# Allegro board PSU-C1.brd
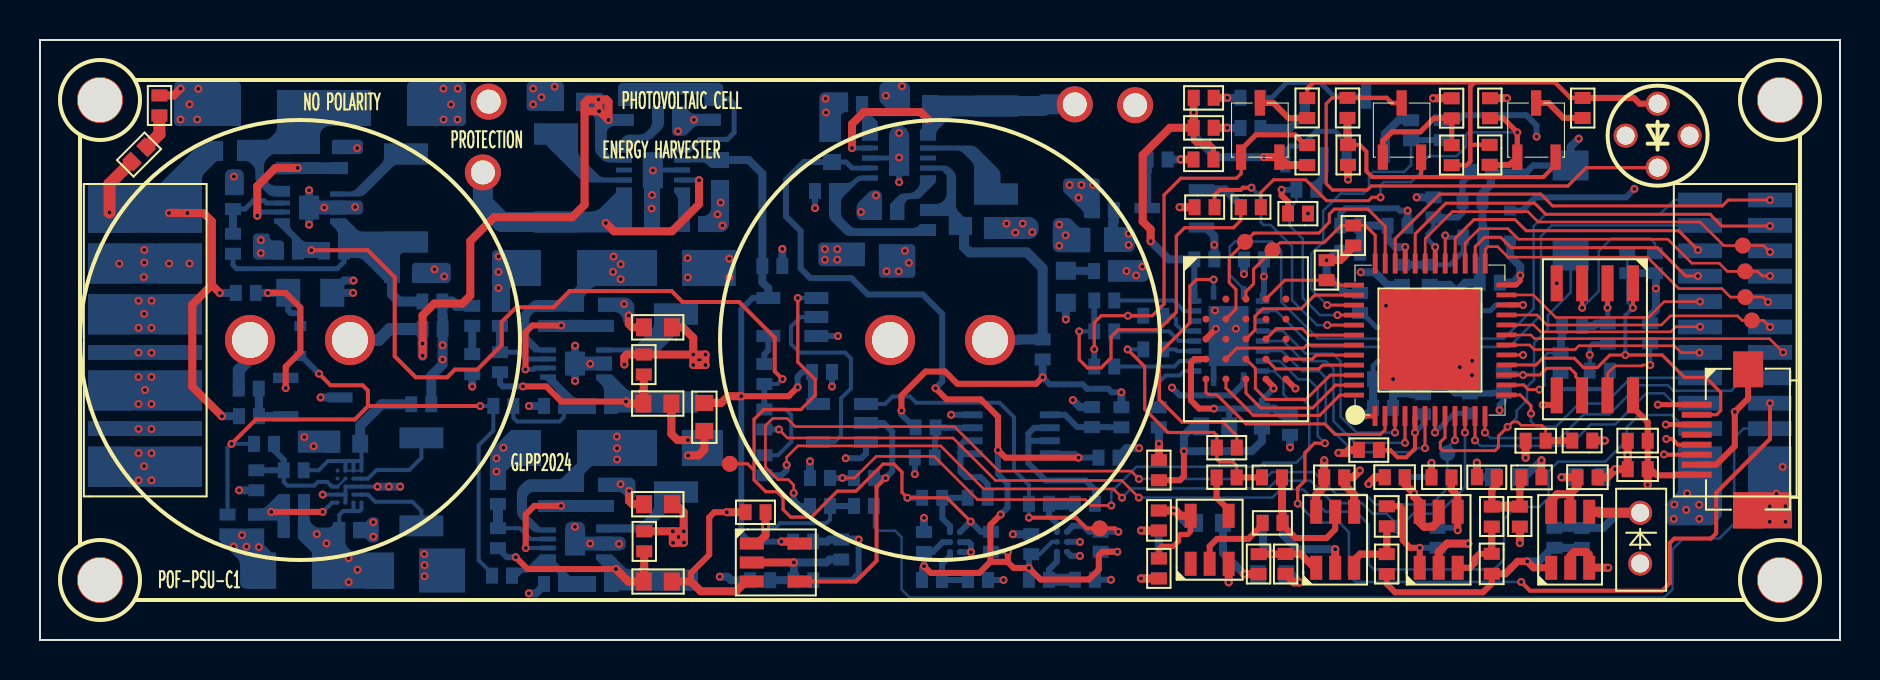
[diagram p0: board, top side]
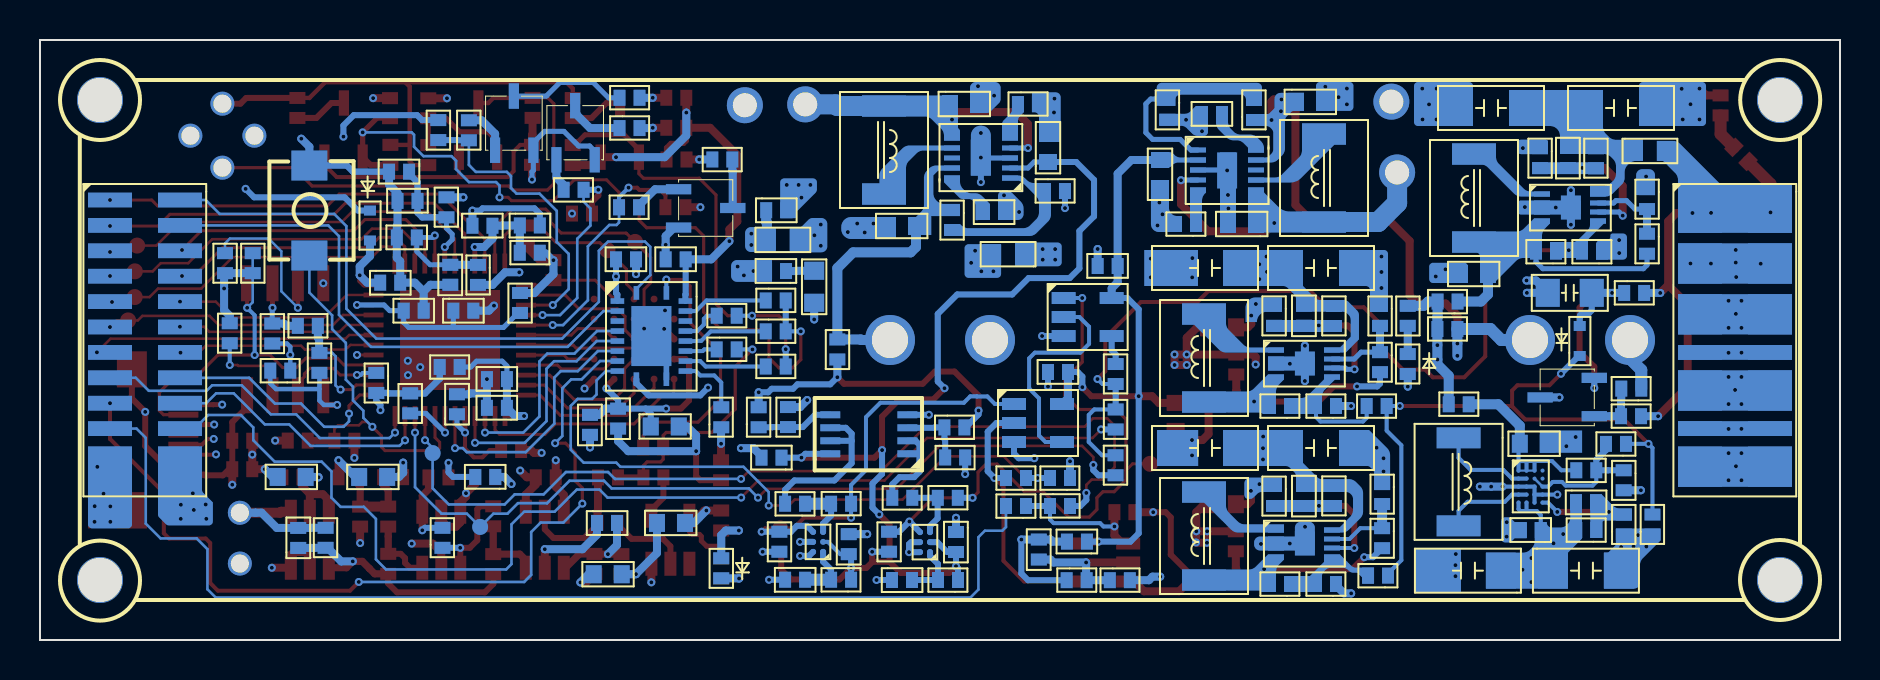
[diagram p1: board, bottom side, seen from below]

Outline 90 x 30 mm; copper layers: TOP, GND, VCC, BOTTOM. Coordinates in mm from the lower left corner of the outline.
Outline path: 0,30 90,30 90,0 0,0 0,30

## Design rules (mm)
constraint set DEFAULT: min track width 0.127
net group N478267: nets N478267 N478271
net group N485107: nets N485107 N485115
net group N1004009: nets N1004009 N1004026
net group N1120293: nets N1120293 N1120473
net group P1012: nets N796763 P1012
net group SIG_ALIVE: nets N1039072 SIG_ALIVE
net group VCAP: nets N821854 N822032
net group VCAP1: nets N478345 VCAP1
net group VCAP2: nets N485373 VCAP2
net group 1ST_EN: nets 1ST_EN IO_P5V0_SHDN IO_P5V0_SHDN_EXT N813698 N813706 N813884 N813992
net group 2ND_EN: nets 2ND_EN N781893 N781901 N782069 N782145 N816273 N816281 N816459 N816583 N1004475 N1017996
net group CHG_FULL: nets CHG_FULL LDO22-2 N821870 N822044 N823149 N823315 N824564 N824724 UV_SHDN
net group FIBER_TX: nets FIBER_TX N1120153 N1120157 N1120309 N1120313 N1120345
net group IAM_ALIVE_EXT: nets IAM_ALIVE IAM_ALIVE_EXT N1161020
net group MG1: nets RAM_ADQ7
net group P1818: nets N782153 N1128601 P1818
net group P3333_PRE: nets N816591
net group P5050: nets N813852 N814000 N1140972

## Placement (name value [footprint] x y rotation side)
C1  2F/5.5V  [SUC_THR_5D0_21D5]  13 15 180 top
C2  2F/5.5V  [SUC_THR_5D0_21D5]  45 15 180 top
C3  10uF  [C0603_SMT]  30.17 11.82 0 top
C4  0.1uF  [C0402_SMT]  74.28 9.96 0 top
C5  0.1uF  [C0402_SMT]  80.39 9.96 180 top
C6  10nF  [C0402_SMT]  80.39 8.54 180 top
C7  0.1uF  [C0402_SMT]  64.21 8.14 0 top
C8  0.1uF  [C0402_SMT]  68.23 8.14 180 top
C9  0.1uF  [C0402_SMT]  74.07 8.14 0 top
C10  0.1uF  [C0402_SMT]  77.88 8.14 180 top
C11  0.1uF  [C0402_SMT]  67.34 6.68 270 top
C12  0.1uF  [C0402_SMT]  55.94 5.48 90 top
C13  0.1uF  [C0402_SMT]  72.59 4.31 270 top
C14  10uF  [C0603_SMT]  30.19 2.93 0 top
C15  10uF  [C0603_SMT]  27.2 26.91 180 bottom
C16  10uF  [C0603_SMT]  44.5 26.8 180 bottom
C17  22uF  [C1206]  15.8 26.6 0 bottom
C18  22uF  [C1206]  12.6 26.6 180 bottom
C19  1uF  [C0402_SMT]  30.9 26.3 0 bottom
C20  10uF  [C0603_SMT]  39.6 23.9 90 bottom
C21  33pF  [C0402_SMT]  13.6 24.6 270 bottom
C22  0.1uF  [C0402_SMT]  71.55 23.41 0 bottom
C23  10uF  [C0603_SMT]  34 24 270 bottom
C24  10nF  [C0402_SMT]  71.12 21.95 0 bottom
C25  1uF  [C0402_SMT]  42.8 21.4 180 bottom
C26  10uF  [C0603_SMT]  29.2 20.8 0 bottom
C27  0.1uF  [C0402_SMT]  66.01 20.73 180 bottom
C28  10nF  [C0402_SMT]  67.38 20.71 0 bottom
C29  10uF  [C0603_SMT]  46.2 20.7 0 bottom
C30  0.1uF  [C0402_SMT]  71.16 20.13 0 bottom
C31  0.1uF  [C0402_SMT]  60.2 19.03 0 bottom
C32  0.1uF  [C0402_SMT]  57.72 19.03 0 bottom
C33  0.1uF  [C0402_SMT]  36.12 18.7 0 bottom
C34  47uF  [C1206]  30.1 18.6 0 bottom
C35  47uF  [C1206]  27.6 18.6 180 bottom
C36  10uF  [C0603_SMT]  17.6 18.3 0 bottom
C37  10nF  [C0402_SMT]  69.48 18.76 270 bottom
C38  0.1uF  [C0402_SMT]  72.99 17.87 180 bottom
C39  6.8uF  [C0805_SMT]  14.61 17.36 180 bottom
C40  10nF  [C0402_SMT]  71.82 16.47 180 bottom
C41  0.1uF  [C0402_SMT]  69.33 16.47 180 bottom
C42  33pF  [C0402_SMT]  26.8 16.71 270 bottom
C43  0.1uF  [C0402_SMT]  38.6 13.4 0 bottom
C44  0.1uF  [C0402_SMT]  66.65 13.05 0 bottom
C45  0.1uF  [C0402_SMT]  69.15 11.29 90 bottom
C46  10nF  [C0402_SMT]  66.65 11.61 0 bottom
C47  0.1uF  [C0402_SMT]  61.09 11.57 270 bottom
C48  10uF  [C0603_SMT]  59.46 10.68 180 bottom
C49  10uF  [C0603_SMT]  16.01 9.81 180 bottom
C50  47uF  [C1206]  30.1 9.6 0 bottom
C51  47uF  [C1206]  27.6 9.6 180 bottom
C52  0.1uF  [C0402_SMT]  52.92 9.12 0 bottom
C53  0.1uF  [C0402_SMT]  67.23 8.15 0 bottom
C54  33pF  [C0402_SMT]  26.8 7.7 270 bottom
C55  33pF  [C0402_SMT]  13.2 6.89 180 bottom
C56  0.1uF  [C0402_SMT]  62.15 5.85 180 bottom
C57  0.1uF  [C0402_SMT]  14.96 5.49 0 bottom
C58  1.5pF  [C0402_SMT]  77.09 4.6 90 bottom
C59  0.1uF  [C0402_SMT]  37.65 4.92 0 bottom
C60  0.1uF  [C0402_SMT]  44.2 5.4 270 bottom
C61  0.1uF  [C0402_SMT]  49.56 5.29 270 bottom
C62  0.1uF  [C0402_SMT]  40.06 5.02 270 bottom
C63  47uF  [C1206]  16.95 3.47 0 bottom
C64  47uF  [C1206]  14.35 3.47 180 bottom
C65  2.2uF  [C0402_SMT]  52.75 3.01 180 bottom
C66  2.2uF  [C0402_SMT]  47.4 3 180 bottom
C67  10uF  [C0603_SMT]  72.64 8.15 0 bottom
C68  10uF  [C0603_SMT]  57.75 5.85 0 bottom
C69  10uF  [C0603_SMT]  62.31 3.29 180 bottom
C70  10uF  [C0603_SMT]  76.72 8.15 0 bottom
C71  10uF  [C0603_SMT]  33.22 11.85 270 top
C72  10uF  [C0603_SMT]  31.6 15.63 180 top
C73  10uF  [C0603_SMT]  31.61 6.79 180 top
D1  GREEN LED  [LED0402_SMT]  58.68 27.11 180 top
D2  GREEN LED  [LED0402_SMT]  5.97 27.23 270 top
D3  GREEN LED  [LED0402_SMT]  58.68 25.61 180 top
D4  GREEN LED  [LED0402_SMT]  57.67 24.02 0 top
D5  GREEN LED  [LED0402_SMT]  55.95 7.99 90 top
D6  1N4148WT-7  [SOD-523]  73.5 19.97 90 bottom
D7  1N4148WT-7  [SOD-523]  13.01 14.2 90 bottom
D8  GREEN LED  [LED0402_SMT]  21.61 13.3 90 bottom
D9  GREEN LED  [LED0402_SMT]  55.94 4.09 270 bottom
FB1  BLM18PG121SN1D  [L0402_SMT]  66.94 9.5 180 top
FB2  BLM18PG121SN1D  [L0402_SMT]  69.68 21.13 90 bottom
FB3  BLM18PG121SN1D  [L0402_SMT]  66.01 19.36 180 bottom
FB4  BLM18PG121SN1D  [L0402_SMT]  66 17.35 270 bottom
FB5  BLM18PG121SN1D  [L0402_SMT]  69.01 13.65 0 bottom
J1  CONN-1X8  [FPC-0D5-8P]  82.83 11.77 270 top
J2  CONN-24P  [SMD_CONN_2X12P_1D27]  83 22 270 bottom
J3  CONN-24P  [SMD_CONN_2X12P_1D27]  3.5 22 270 bottom
L1  10uH/1A  [IND_SMD_4D4X4D2]  47.8 26.7 270 bottom
L2  10uH  [L0603]  10.3 24.45 180 bottom
L3  10uH/1A  [IND_SMD_4D4X4D2]  25.8 20.9 90 bottom
L4  4.7uH/200mA  [IND_SMD_4D4X4D2]  18.3 19.9 90 bottom
L5  2.2uH  [L0402]  53.69 21.49 180 bottom
L6  10uH  [L0603]  52.06 20.01 0 bottom
L7  10uH  [L0603]  40.8 19.29 0 bottom
L8  2.2uH  [L0402]  52.7 18.45 0 bottom
L9  10uH  [L0603]  51.29 16.86 90 bottom
L10  4.7uH/1A  [IND_SMD_4D4X4D2]  31.8 11.9 90 bottom
L11  2.2uH  [L0402]  62.5 11.26 270 bottom
L12  4.7uH/1A  [IND_SMD_4D4X4D2]  19.07 10.11 270 bottom
L13  2.2uH/1A  [IND_SMD_4D4X4D2]  31.8 3 90 bottom
LD1  LaserDiode  [LD_CIR_THR_4P]  80.88 25.22 90 top
NOREF  -  [unnamed]  87 27 0 top
NOREF#2  -  [unnamed]  3 3 0 top
NOREF#3  -  [unnamed]  3 27 0 top
NOREF#4  -  [#2]  0 30 0 top
NOREF#5  -  [unnamed]  87 3 0 top
NOREF#6  -  [#2]  0 0 90 top
PD1  Photodiode  [PD-THR-2P]  80.01 6.36 270 top
Q1  Si2301BDS-HXY  [SOT23-3]  59.58 23.71 0 top
Q2  2SC1815  [SOT23-3]  66.67 23.71 0 top
Q3  2SC1815  [SOT23-3]  73.39 23.71 0 top
Q4  MMBT2222ALT1G  [SOT-23-3]  67.72 24.05 180 bottom
Q5  MMBT2222ALT1G  [SOT-23-3]  64.66 23.58 180 bottom
Q6  MMBT2222ALT1G  [SOT-23-3]  58.5 23.01 270 bottom
Q7  Si2301BDS-HXY  [SOT23-3]  11.85 10.71 90 bottom
R1  DNP  [R0402_SMT]  63.36 26.1 90 top
R2  DNP  [R0402_SMT]  65.37 27.11 270 top
R3  510  [R0402_SMT]  72.5 26.09 90 top
R4  51  [R0402_SMT]  77.13 27.1 270 top
R5  510  [R0402_SMT]  70.58 26.09 90 top
R6  20K  [R0402_SMT]  5.3 24.63 225 top
R7  10K  [R0402_SMT]  63.36 23.75 90 top
R8  51  [R0402_SMT]  65.4 24.76 270 top
R9  510  [R0402_SMT]  72.48 24.76 270 top
R10  510  [R0402_SMT]  70.58 23.74 90 top
R11  6.8K  [R0402_SMT]  57.73 21.64 0 top
R12  510  [R0402_SMT]  60.04 21.64 0 top
R13  6.8K  [R0402_SMT]  63.4 21.32 180 top
R14  4.7K  [R0402_SMT]  65.66 20.73 270 top
R15  4.7K  [R0402_SMT]  64.33 17.99 90 top
R16  0  [R0402_SMT]  30.19 14.28 270 top
R17  10K  [R0402_SMT]  77.61 9.97 180 top
R18  0  [R0402_SMT]  59.84 9.62 180 top
R19  0  [R0402_SMT]  58.83 8.13 0 top
R20  DNP  [R0402_SMT]  61.1 8.13 0 top
R21  10K  [R0402_SMT]  69.57 8.13 0 top
R22  4.99K  [R0402_SMT]  72.84 8.14 180 top
R23  100K  [R0402_SMT]  36.28 6.39 180 top
R24  100K  [R0402_SMT]  72.59 5.67 90 top
R25  4.99K  [R0402_SMT]  73.99 5.67 90 top
R26  0  [R0402_SMT]  62.12 5.86 180 top
R27  0  [R0402_SMT]  30.21 5.44 270 top
R28  4.99K  [R0402_SMT]  60.93 3.29 90 top
R29  4.99K  [R0402_SMT]  62.28 4.3 270 top
R30  DNP  [R0402_SMT]  67.34 3.29 90 top
R31  12K  [R0402_SMT]  55.95 3.07 90 top
R32  20K  [R0402_SMT]  61.02 27.11 180 bottom
R33  200K  [R0402_SMT]  41.1 26.8 180 bottom
R34  270K  [R0402_SMT]  33.63 27.01 270 bottom
R35  1M  [R0402_SMT]  29.3 26 90 bottom
R36  20K  [R0402_SMT]  61.02 25.6 180 bottom
R37  6.8K  [R0402_SMT]  70.08 26 270 bottom
R38  1K  [R0402_SMT]  68.56 24.99 90 bottom
R39  309K  [R0402_SMT]  15 24.59 270 bottom
R40  1M  [R0402_SMT]  12.2 23.59 90 bottom
R41  20K  [R0402_SMT]  55.38 24.03 0 bottom
R42  1K  [R0402_SMT]  62.82 22.51 0 bottom
R43  270K  [R0402_SMT]  39.75 22.45 180 bottom
R44  100K  [R0402_SMT]  9.65 22.55 270 bottom
R45  1K  [R0402_SMT]  61.05 21.63 180 bottom
R46  1M  [R0402_SMT]  44.4 21.5 270 bottom
R47  200K  [R0402_SMT]  32.2 20.8 0 bottom
R48  DNI  [R0402_SMT]  9.65 20.31 270 bottom
R49  DNI  [R0402_SMT]  14.2 19.42 0 bottom
R50  100K  [R0402_SMT]  11.9 19.42 0 bottom
R51  10K  [R0402_SMT]  80.75 19.34 270 bottom
R52  10K  [R0402_SMT]  79.36 19.34 270 bottom
R53  100R  [R0402_SMT]  68.1 18.76 270 bottom
R54  1.62M  [R0402_SMT]  10.79 17.35 180 bottom
R55  0  [R0402_SMT]  53.71 16.98 180 bottom
R56  0  [R0402_SMT]  19.12 16.92 0 bottom
R57  0  [R0402_SMT]  56.16 16.21 180 bottom
R58  560K  [R0402_SMT]  28.3 16.71 270 bottom
R59  1M  [R0402_SMT]  25.3 15.7 90 bottom
R60  100K  [R0402_SMT]  23 16.71 270 bottom
R61  DNI  [R0402_SMT]  21.61 16.71 270 bottom
R62  DNI  [R0402_SMT]  77.11 15.71 180 bottom
R63  0  [R0402_SMT]  20.13 15.55 180 bottom
R64  DNP  [R0402_SMT]  53.71 15.43 180 bottom
R65  10K  [R0402_SMT]  80.51 14.84 90 bottom
R66  0  [R0402_SMT]  78.39 15.82 270 bottom
R67  DNP  [R0402_SMT]  56.16 14.53 180 bottom
R68  0  [R0402_SMT]  50.13 15.03 270 bottom
R69  DNI  [R0402_SMT]  23 14.39 270 bottom
R70  0  [R0402_SMT]  76.03 14.36 270 bottom
R71  0  [R0402_SMT]  53.71 13.68 180 bottom
R72  DNI  [R0402_SMT]  77.49 13.47 0 bottom
R73  2K  [R0402_SMT]  36.22 12.8 90 bottom
R74  10K  [R0402_SMT]  73.19 13.35 270 bottom
R75  100K  [R0402_SMT]  9.94 12.57 0 bottom
R76  2.2K  [R0402_SMT]  71.49 12.33 270 bottom
R77  0  [R0402_SMT]  19.56 11.79 180 bottom
R78  DNI  [R0402_SMT]  27.5 11.7 0 bottom
R79  100K  [R0402_SMT]  25.2 11.7 0 bottom
R80  0  [R0402_SMT]  22.67 11.7 0 bottom
R81  1K  [R0402_SMT]  10.95 11.19 180 bottom
R82  20K  [R0402_SMT]  55.94 10.64 90 bottom
R83  2M  [R0402_SMT]  54.07 10.64 90 bottom
R84  1M  [R0402_SMT]  52.6 11.65 270 bottom
R85  DNP  [R0402_SMT]  36.22 10.53 90 bottom
R86  1M  [R0402_SMT]  44.78 10.63 180 bottom
R87  0  [R0402_SMT]  10.7 9.81 0 bottom
R88  1M  [R0402_SMT]  43.74 9.13 0 bottom
R89  0  [R0402_SMT]  36.22 8.24 90 bottom
R90  DNI  [R0402_SMT]  12.19 8.49 0 bottom
R91  1K  [R0402_SMT]  40.7 8.1 0 bottom
R92  4.7K  [R0402_SMT]  38.5 8.1 0 bottom
R93  100K  [R0402_SMT]  10.82 8.49 270 bottom
R94  100K  [R0402_SMT]  22.9 7.8 270 bottom
R95  1M  [R0402_SMT]  25.3 6.7 90 bottom
R96  2M  [R0402_SMT]  28.3 7.7 270 bottom
R97  5.1K  [R0402_SMT]  45.11 7.11 180 bottom
R98  1K  [R0402_SMT]  46.38 7.11 0 bottom
R99  300  [R0402_SMT]  50.45 6.81 180 bottom
R100  160  [R0402_SMT]  51.75 6.81 0 bottom
R101  0  [R0402_SMT]  39.5 6.7 180 bottom
R102  DNP  [R0402_SMT]  40.7 6.7 0 bottom
R103  1M  [R0402_SMT]  10.81 5.27 90 bottom
R104  100K  [R0402_SMT]  9.38 5.27 90 bottom
R105  252K  [R0402_SMT]  12.19 5.5 0 bottom
R106  10K  [R0402_SMT]  75.72 4.61 90 bottom
R107  10K  [R0402_SMT]  69.88 4.61 90 bottom
R108  DNI  [R0402_SMT]  22.9 5.59 270 bottom
R109  10K  [R0402_SMT]  53.03 5.41 270 bottom
R110  20K  [R0402_SMT]  47.55 5.41 270 bottom
R111  0  [R0402_SMT]  22.6 3.22 0 bottom
R112  3.3K  [R0402_SMT]  49.45 3.01 0 bottom
R113  3.3K  [R0402_SMT]  44.1 3 0 bottom
R114  6.8K  [R0402_SMT]  38.67 2.99 180 bottom
R115  10K  [R0402_SMT]  36.51 2.99 180 bottom
R116  DNI  [R0402_SMT]  27.5 2.8 0 bottom
R117  100K  [R0402_SMT]  25.2 2.8 0 bottom
SW1  SW KEY-SPST  [SW_SMD_2P_L3D9_W3D0_P4D5]  76.53 19.22 90 bottom
TP1  Solar Cell V+  [TP_THR_1D8_1D2]  51.74 26.78 180 bottom
TP2  Solar Cell V-  [TP_THR_1D8_1D2]  22.43 26.92 180 bottom
TP3  Solar Cell V-  [TP_THR_1D8_1D2]  54.76 26.74 180 bottom
TP4  Solar Cell V+  [TP_THR_1D8_1D2]  22.14 23.38 180 bottom
TP5  T POINT R  [TP_SMD_CIR_0D8_NP]  34.49 8.81 0 top
TP6  T POINT R  [TP_SMD_CIR_0D8_NP]  60.25 19.91 0 top
TP7  T POINT R  [TP_SMD_CIR_0D8_NP]  61.63 19.49 0 top
TP8  T POINT R  [TP_SMD_CIR_0D8_NP]  52.99 5.58 0 top
TP9  T POINT R  [TP_SMD_CIR_0D8_NP]  85.14 19.72 0 top
TP10  T POINT R  [TP_SMD_CIR_0D8_NP]  85.26 18.43 0 top
TP11  T POINT R  [TP_SMD_CIR_0D8_NP]  85.27 17.15 0 top
TP12  T POINT R  [TP_SMD_CIR_0D8_NP]  85.59 15.98 0 top
TP13  T POINT R  [TP_SMD_CIR_0D8_NP]  70.37 9.34 180 bottom
TP14  T POINT R  [TP_SMD_CIR_0D8_NP]  67.99 5.65 180 bottom
U1  APS25608N-OBR-BD  [BGA-24]  58.3 17.05 0 top
U2  iCE40UP5K- SG48  [QFN-48]  69.5 15 90 top
U3  W25Q64JWSSIQ  [SOIC-8]  79.65 17.84 270 top
U4  SN74AHC1G14DBVR  [SOT-23-5]  57.53 3.81 90 top
U5  TLV3501AIDBVR  [SOT-23-6-L2D9-W1D6-PD0D95-CD2D8-MM]  63.81 3.61 90 top
U6  OPA357AIDBVR  [SOT-23-6-L2D9-W1D6-PD0D95-CD2D8-MM]  68.99 3.61 90 top
U7  OPA357AIDBVR  [SOT-23-6-L2D9-W1D6-PD0D95-CD2D8-MM]  75.56 3.61 90 top
U8  SN74LVC1G32DBVR  [SOT-23-5]  35.59 4.83 0 top
U9  LTC3105EDD#PBF  [DFN-10]  44.4 23.1 90 bottom
U10  LTC3105EDD#PBF  [DFN-10]  29.2 24.5 270 bottom
U11  LTC3539EDCB-2#TRPBF  [DFN-8]  12.1 22.3 270 bottom
U12  SN74AUP1G08DBVR  [SOT-23-5]  38.82 17.1 180 bottom
U13  TXS0108ERGYR  [VQFN-20]  59.43 15.2 270 bottom
U14  LTC3539EDCB-2#TRPBF  [DFN-8]  25.4 14.5 270 bottom
U15  SN74LVC1G32DBVR  [SOT-23-5]  41.3 11.8 180 bottom
U16  ADA4051-2ARMZ  [MSOP-8]  50.25 9.31 90 bottom
U17  ISL9110AIITAZ-T  [WLCSP-20]  16.07 8.47 180 bottom
U18  ADCMP380-1ACBZ-RL7  [WLCSP-6]  50.85 4.41 0 bottom
U19  ADCMP380-1ACBZ-RL7  [WLCSP-6]  45.5 4.39 0 bottom
U20  LTC3539EDCB-2#TRPBF  [DFN-8]  25.4 5.5 270 bottom

## Library data of the parts
C1-C3 C14-C16 C20 C23 C26 C29 C36 C39 C49 C67-C73 = CAP NP: signal model: DEFAULT_CAPACITOR_1e+07pF_2_1
C4-C13 C22 C24 C27 C28 C30-C33 C37 C38 C40 C41 C43-C48 C53 C56-C59 C62 = CAP NP
C17 C18 C34 C35 C50 C51 C63 C64 = CAP NP: signal model: DEFAULT_CAPACITOR_2.2e+07pF_2_1
C19 C25 = CAP NP: signal model: DEFAULT_CAPACITOR_1e+06pF_2_1
C21 C42 C54 C55 = CAP NP: signal model: DEFAULT_CAPACITOR_33.000000pF_2_1
C52 C60 C61 = CAP NP: signal model: DEFAULT_CAPACITOR_100000pF_2_1
C65 C66 = CAP NP: signal model: DEFAULT_CAPACITOR_2.2e+06pF_2_1
D1-D5 D8 D9 = LED
D6 D7 = DIODE
FB1-FB5 = INDUCTOR
J1 = CONN-1X8
J2 J3 = CONN-24P
L1 L3 = INDUCTOR: signal model: DEFAULT_INDUCTOR_10000nH_2_1
L2 L4-L13 = INDUCTOR: signal model: DEFAULT_INDUCTOR_4700nH_2_1
LD1 = LaserDiode_0
PD1 = Photodiode
Q1 Q7 = FH3415A
Q2 Q3 = 2SC1815
Q4-Q6 = MMBT2222AL
R1 R7 R23 R44 R48-R50 R60 R69 R73 R78-R80 R85 R87 R89-R94 R101 R102 R108-R111 R114-R117 = R: signal model: DEFAULT_RESISTOR_10000OHM_2_1
R2 R3 R5 R9 R10 R12 = R: signal model: DEFAULT_RESISTOR_510.000000OHM_2_1
R4 R8 = R: signal model: DEFAULT_RESISTOR_40.000000OHM_2_1
R6 R11 R13-R22 R24-R32 R36-R38 R41 R42 R45 R51-R57 R61-R68 R70-R72 R74-R77 R81 R82 R104 R106 R107 = R
R33 R47 = R: signal model: DEFAULT_RESISTOR_200000OHM_2_1
R34 R40 R43 R59 R83 R84 R86 R88 R95 R105 = R: signal model: DEFAULT_RESISTOR_0.001OHM_2_1
R35 R46 = R: signal model: DEFAULT_RESISTOR_0.00226OHM_2_1
R39 R58 R96 R103 = R: signal model: DEFAULT_RESISTOR_562000OHM_2_1
R97 R99 = R: signal model: DEFAULT_RESISTOR_147000OHM_2_1
R98 R100 = R: signal model: DEFAULT_RESISTOR_36000OHM_2_1
R112 R113 = R: signal model: DEFAULT_RESISTOR_3300OHM_2_1
SW1 = SW KEY-SPST
TP1-TP4 = T POINT A
TP5-TP14 = T POINT R
U1 = APS25608N-OBR-BD_2
U2 = iCE40UP5K- SG48
U3 = W25Q64JW
U4 = SN74AHC1G14DBVR
U5 = TLV3501AIDBVR
U6 U7 = OPA357AIDBVR
U8 U15 = SN74LVC1G32DBVR
U9 U10 = LTC3105EDD#PBF
U11 U14 U20 = LTC3539EDCB#PBF
U12 = SN74AUP1G08
U13 = TXS0108ERGYR
U16 = ADA4051-2ARMZ
U17 = ISL9110AIITAZ-T
U18 U19 = ADCMP380-1ACBZ-RL7

## Footprints (pads in the part's own frame, mm; a bottom-side part is the same pattern mirrored in y, then rotated)
BGA-24
  round 0.35 smd: A2(1,0) A3(2,0) A4(3,0) A5(4,0) B1(0,-1) B2(1,-1) B3(2,-1) B4(3,-1) B5(4,-1) C1(0,-2) C2(1,-2) C3(2,-2) C4(3,-2) C5(4,-2) D1(0,-3) D2(1,-3) D3(2,-3) D4(3,-3) D5(4,-3) E1(0,-4) E2(1,-4) E3(2,-4) E4(3,-4) E5(4,-4)
C0402_SMT
  rect 0.6x0.8 smd: 1(0,0) 2(1,0)
C0603_SMT
  rect 0.8x0.9 smd: 1(0,0) 2(1.4,0)
C0805_SMT
  rect 1.2x1.4 smd: 1(0,0) 2(2.2,0)
C1206
  rect 1.5x1.8 smd: 1(0,0) 2(3.3,0)
DFN-8
  rect 0.25x0.8 smd: 1(0,-2.8) 2(0.45,-2.8) 3(0.9,-2.8) 4(1.35,-2.8) 5(1.35,0) 6(0.9,0) 7(0.45,0) 8(0,0)
  rect 1.2x1 smd: 9(0.676,-1.355)
DFN-10
  rect 0.25x0.8 smd: 1(0,-2.9) 2(0.5,-2.9) 3(1,-2.9) 4(1.5,-2.9) 5(2,-2.9) 6(2,0) 7(1.5,0) 8(1,0) 9(0.5,0) 10(0,0)
  rect 1.8x1 smd: 11(1.022,-1.444)
FPC-0D5-8P
  rect 0.3x1.5 smd: 1(0,0) 2(0.5,0) 3(1,0) 4(1.5,0) 5(2,0) 6(2.5,0) 7(3,0) 8(3.5,0)
  rect 1.8x1.5 smd: 9(-1.767,2.573) 10(5.283,2.573)
IND_SMD_4D4X4D2
  rect 1.05x2.2 smd: 1(0,0) 2(4.4,0)
L0402
  rect 0.6x0.8 smd: 1(0,0) 2(1,0)
L0402_SMT
  rect 0.6x0.8 smd: 1(0,0) 2(1,0)
L0603
  rect 0.9x1 smd: 1(0,0) 2(1.6,0)
LD_CIR_THR_4P
  round 1.2 hole 0.9: 1(1.6,0) 2(-1.6,0) 3(0,1.6) 4(0,-1.6)
LED0402_SMT
  rect 0.6x0.8 smd: 1(0,0) 2(1,0)
MSOP-8
  rect 0.35x1 smd: 1(-0.001,-3.615) 2(0.649,-3.615) 3(1.299,-3.615) 4(1.949,-3.615) 5(1.949,0.241) 6(1.299,0.241) 7(0.649,0.241) 8(-0.001,0.241)
PD-THR-2P
  round 1.2 hole 0.9: 1(0,0) 2(2.54,0)
QFN-48
  rect 1x0.24 smd: 1(-3.801,2.748) 2(-3.801,2.248) 3(-3.801,1.748) 4(-3.801,1.248) 5(-3.801,0.748) 6(-3.801,0.248) 7(-3.801,-0.252) 8(-3.801,-0.752) 9(-3.801,-1.252) 10(-3.801,-1.752) 11(-3.801,-2.252) 12(-3.801,-2.752) 25(3.822,-2.764) 26(3.822,-2.264) 27(3.822,-1.764) 28(3.822,-1.264) 29(3.822,-0.764) 30(3.822,-0.264) 31(3.822,0.236) 32(3.822,0.736) 33(3.822,1.236) 34(3.822,1.736) 35(3.822,2.236) 36(3.822,2.736)
  rect 0.24x1 smd: 13(-2.748,-3.826) 14(-2.248,-3.826) 15(-1.748,-3.826) 16(-1.248,-3.826) 17(-0.748,-3.826) 18(-0.248,-3.826) 19(0.252,-3.826) 20(0.752,-3.826) 21(1.252,-3.826) 22(1.752,-3.826) 23(2.252,-3.826) 24(2.752,-3.826) 37(2.746,3.797) 38(2.246,3.797) 39(1.746,3.797) 40(1.246,3.797) 41(0.746,3.797) 42(0.246,3.797) 43(-0.254,3.797) 44(-0.754,3.797) 45(-1.254,3.797) 46(-1.754,3.797) 47(-2.254,3.797) 48(-2.754,3.797)
  rect 5x5 smd: 49(0,0)
R0402_SMT
  rect 0.6x0.8 smd: 1(0,0) 2(1,0)
SMD_CONN_2X12P_1D27
  rect 0.74x2.2 smd: 1(0,-3.5) 2(1.27,-3.5) 3(2.54,-3.5) 4(3.81,-3.5) 5(5.08,-3.5) 6(6.35,-3.5) 7(7.62,-3.5) 8(8.89,-3.5) 9(10.16,-3.5) 10(11.43,-3.5) 11(12.7,-3.5) 12(13.97,-3.5) 13(13.97,0) 14(12.7,0) 15(11.43,0) 16(10.16,0) 17(8.89,0) 18(7.62,0) 19(6.35,0) 20(5.08,0) 21(3.81,0) 22(2.54,0) 23(1.27,0) 24(0,0)
SOD-523
  rect 0.5x0.6 smd: 1(0,0) 2(1.5,0)
SOIC-8
  rect 1.8x0.6 smd: 1(0,0) 2(0,-1.27) 3(0,-2.54) 4(0,-3.81) 5(5.6,-3.81) 6(5.6,-2.54) 7(5.6,-1.27) 8(5.6,0)
SOT23-3
  rect 0.51x1.27 smd: 1(0.476,0.434) 2(2.391,0.434) 3(1.415,3.142)
SOT-23-3
  rect 0.51x1.27 smd: 1(0.476,0.434) 2(2.391,0.434) 3(1.415,3.142)
SOT-23-5
  rect 1.2x0.6 smd: 1(0,0) 2(0,-0.95) 3(0,-1.9) 4(2.4,-1.9) 5(2.4,0)
SOT-23-6-L2D9-W1D6-PD0D95-CD2D8-MM
  rect 1.2x0.6 smd: 1(0,0) 2(0,-0.95) 3(0,-1.9) 4(2.8,-1.9) 5(2.8,-0.95) 6(2.8,0)
SUC_THR_5D0_21D5
  round 2.5 hole 1.8: 1(-2.5,0) 2(2.5,0)
SW_SMD_2P_L3D9_W3D0_P4D5
  rect 1.5x1.8 smd: 1(0,0) 2(4.5,0)
TP_SMD_CIR_0D8_NP
  round 0.8 smd: 1(0,0)
TP_THR_1D8_1D2
  round 1.8 hole 1.2: 1(0,0)
unnamed
  round 2.3 hole 2.2 unplated: (0,0)
VQFN-20
  rect 0.68x0.28 smd: 1(-2.157,-0.75) 10(2.158,-0.75) 11(2.158,0.75) 20(-2.157,0.75)
  rect 0.28x0.68 smd: 2(-1.75,-1.7) 3(-1.25,-1.7) 4(-0.75,-1.7) 5(-0.25,-1.7) 6(0.25,-1.7) 7(0.75,-1.7) 8(1.25,-1.7) 9(1.75,-1.7) 12(1.75,1.7) 13(1.25,1.7) 14(0.75,1.7) 15(0.25,1.7) 16(-0.25,1.7) 17(-0.75,1.7) 18(-1.25,1.7) 19(-1.75,1.7)
  rect 3x2 smd: EPAD(0,0)
WLCSP-6
  round 0.3 smd: A1(0,0) A2(0.5,0) B1(0,-0.5) B2(0.5,-0.5) C1(0,-1) C2(0.5,-1)
WLCSP-20
  round 0.2 smd: A1(0,0) A2(0,-0.4) A3(0,-0.8) A4(0,-1.2) A5(0,-1.6) B1(0.4,0) B2(0.4,-0.4) B3(0.4,-0.8) B4(0.4,-1.2) B5(0.4,-1.6) C1(0.8,0) C2(0.8,-0.4) C3(0.8,-0.8) C4(0.8,-1.2) C5(0.8,-1.6) D1(1.2,0) D2(1.2,-0.4) D3(1.2,-0.8) D4(1.2,-1.2) D5(1.2,-1.6)

## Nets
GND: C1.2 C2.2 C3.2 C4.1 C5.2 C6.2 C7.1 C8.2 C9.2 C10.1 C12.1 C14.2 C15.2 C16.2 C17.2 C18.2 C19.2 C20.2 C22.2 C23.2 C24.2 C25.2 C26.2 C27.2 C28.2 C29.2 C30.2 C31.1 C32.2 C33.2 C34.2 C35.2 C36.2 C37.2 C38.2 C39.1 C40.2 C41.2 C43.2 C44.2 C45.2 C46.2 C47.2 C48.2 C49.2 C50.2 C51.2 C52.2 C53.1 C56.1 C57.2 C59.2 C60.1 C61.1 C62.1 C63.2 C64.2 C65.1 C66.1 C67.2 C68.2 C69.2 C70.2 C71.2 C72.2 C73.2 D2.1(CATHODE) D5.1(CATHODE) D8.1(CATHODE) D9.1(CATHODE) J1.7 J1.9 J1.10 J2.11 J2.12 J3.3 J3.4 J3.7 J3.10 J3.15 J3.18 J3.21 J3.22 PD1.2 Q4.2(EMITTER) Q5.2(EMITTER) Q6.2(EMITTER) Q7.3 R3.2 R5.2 R8.2 R23.2 R25.1 R28.1 R33.2 R34.2 R39.1 R43.2 R44.1 R47.2 R50.1 R58.1 R60.1 R75.1 R79.1 R84.1 R88.1 R92.1 R93.2 R94.1 R96.1 R103.1 R104.1 R114.1 R117.1 SW1.2 TP2.1(TP) TP3.1(TP) U1.C1 U1.E5(VSS#E5) U2.49 U3.4 U4.3 U5.2(V-) U5.6 U6.2(V-) U7.2(V-) U7.3 U8.3 U9.3 U9.11 U10.3 U10.11 U11.2 U11.3 U11.9 U12.3 U13.11 U13.EPAD U14.2 U14.3 U14.9 U15.3 U16.4(V-) U17.A3 U17.B3 U17.C3 U17.C4 U17.C5 U17.D4 U18.A2 U18.B2 U19.A2 U19.B2 U20.2 U20.3 U20.9
P1V2: FB1.2 FB2.2 L8.2 R53.2
P1V80: C5.1 C6.1 FB3.2 FB4.1 FB5.2 J1.8 L5.2 L11.2 R11.1 R13.1 R14.2 R15.2 R17.1 R37.1 R51.2 R52.2 R65.2 R74.2 R76.1 U3.8
VCCIO_0: C27.1 C28.1 FB3.1 U2.33
VCCIO_2: C44.1 C46.1 FB5.1 U2.1
1ST_EN: R73.2 U12.4(Y)
2ND_EN: D7.1(K) R80.1 R87.1 R104.2 R111.1
CHG_FULL: R99.2 R109.1 TP8.1(TP) U15.1 U18.C2
DONE2_LED: R76.2 U2.7
DPU_UART_RX: J2.24 U13.1
DPU_UART_TX: J2.23 U13.3
FF2_SCK: J1.3 R74.1 U2.15 U3.6
FF2_SS: J1.2 R52.1 U2.16 U3.1
FIBER_RX: R18.2 R19.2 R20.1 R67.2
FIBER_TX: R12.1 R55.2 R64.2
FL2_MISO: R62.1 R66.1 U3.2
FL2_MOSI: R70.2 R72.2 U3.5
FL2_RST: R65.1 U3.7
FL2_WP: R51.1 U3.3(W\P\(IO2))
FP2_RST: C4.2 J1.6 R17.2 SW1.1 U2.8
FP2_SI: J1.1 R66.2 R72.1 U2.17
FP2_SO: J1.5 R62.2 R70.1 U2.14
IAM_ALIVE: R101.2 TP13.1(TP) U2.9
IAM_ALIVE_EXT: J2.10 R102.2
IO1: J2.18 U2.18
IO2: J2.17 U2.13
IO3: J2.8 U2.12
IO4: J2.16 U2.11
IO5: J2.1 U2.34
IO6: J2.2 U2.32
IO7: J2.7 U2.19
IO_P5V0_SHDN: R89.1 TP14.1(TP) U2.10
IO_P5V0_SHDN_EXT: J2.15 R85.1
LD_PWR_EN: U2.3 U13.5
LD_PWR_EN_EXT: J2.9 U13.8
LDO22-1: C23.1 C33.1 C43.1 C59.1 C71.1 U8.5 U10.2 U12.5 U15.5
LDO22-2: C20.1 C52.1 C60.2 C61.2 R109.2 R110.2 R112.1 R113.1 U9.2 U16.8 U18.B1 U19.B1
LED0: R37.2 R38.1 U2.39
LED1: R13.2 R42.1 U2.40
LED2: R11.2 R45.1 U2.41
MOS_PWR_EN: Q1.1 R7.2 R57.2 R71.2
NC.A2: U1.A2
NC.A5: U1.A5
NC.B1: U1.B1
NC.B3: U1.B3
NC.B4: U1.B4
NC.B5: U1.B5
NC.C5: U1.C5
P1012: L8.1 L9.2
P1012_PRE: C55.1 C57.1 C63.1 C64.1 J3.11 J3.12 J3.13 J3.14 L9.1 R105.2 U17.A5 U17.B5(VOUT2)
P1818: C31.2 L5.1 L6.2 U13.2 U13.10
P1818_PRE: C50.1 C51.1 C54.1 J3.8 J3.9 J3.16 J3.17 L6.1 R95.2 U20.8(VOUT)
P3333: C7.2 C8.1 C10.2 C12.2 C32.1 C67.1 C68.1 C69.1 C70.1 D1.2 D3.2 D4.2 D6.2 J2.13 J2.14 L7.2 Q1.2(S) R7.1 R22.2 R29.2 R31.2 U4.5 U5.4 U6.5 U6.6 U7.5 U7.6 U13.19(VCCB)